# KiCad board rabbit_mask_backup.kicad_pcb (continued)
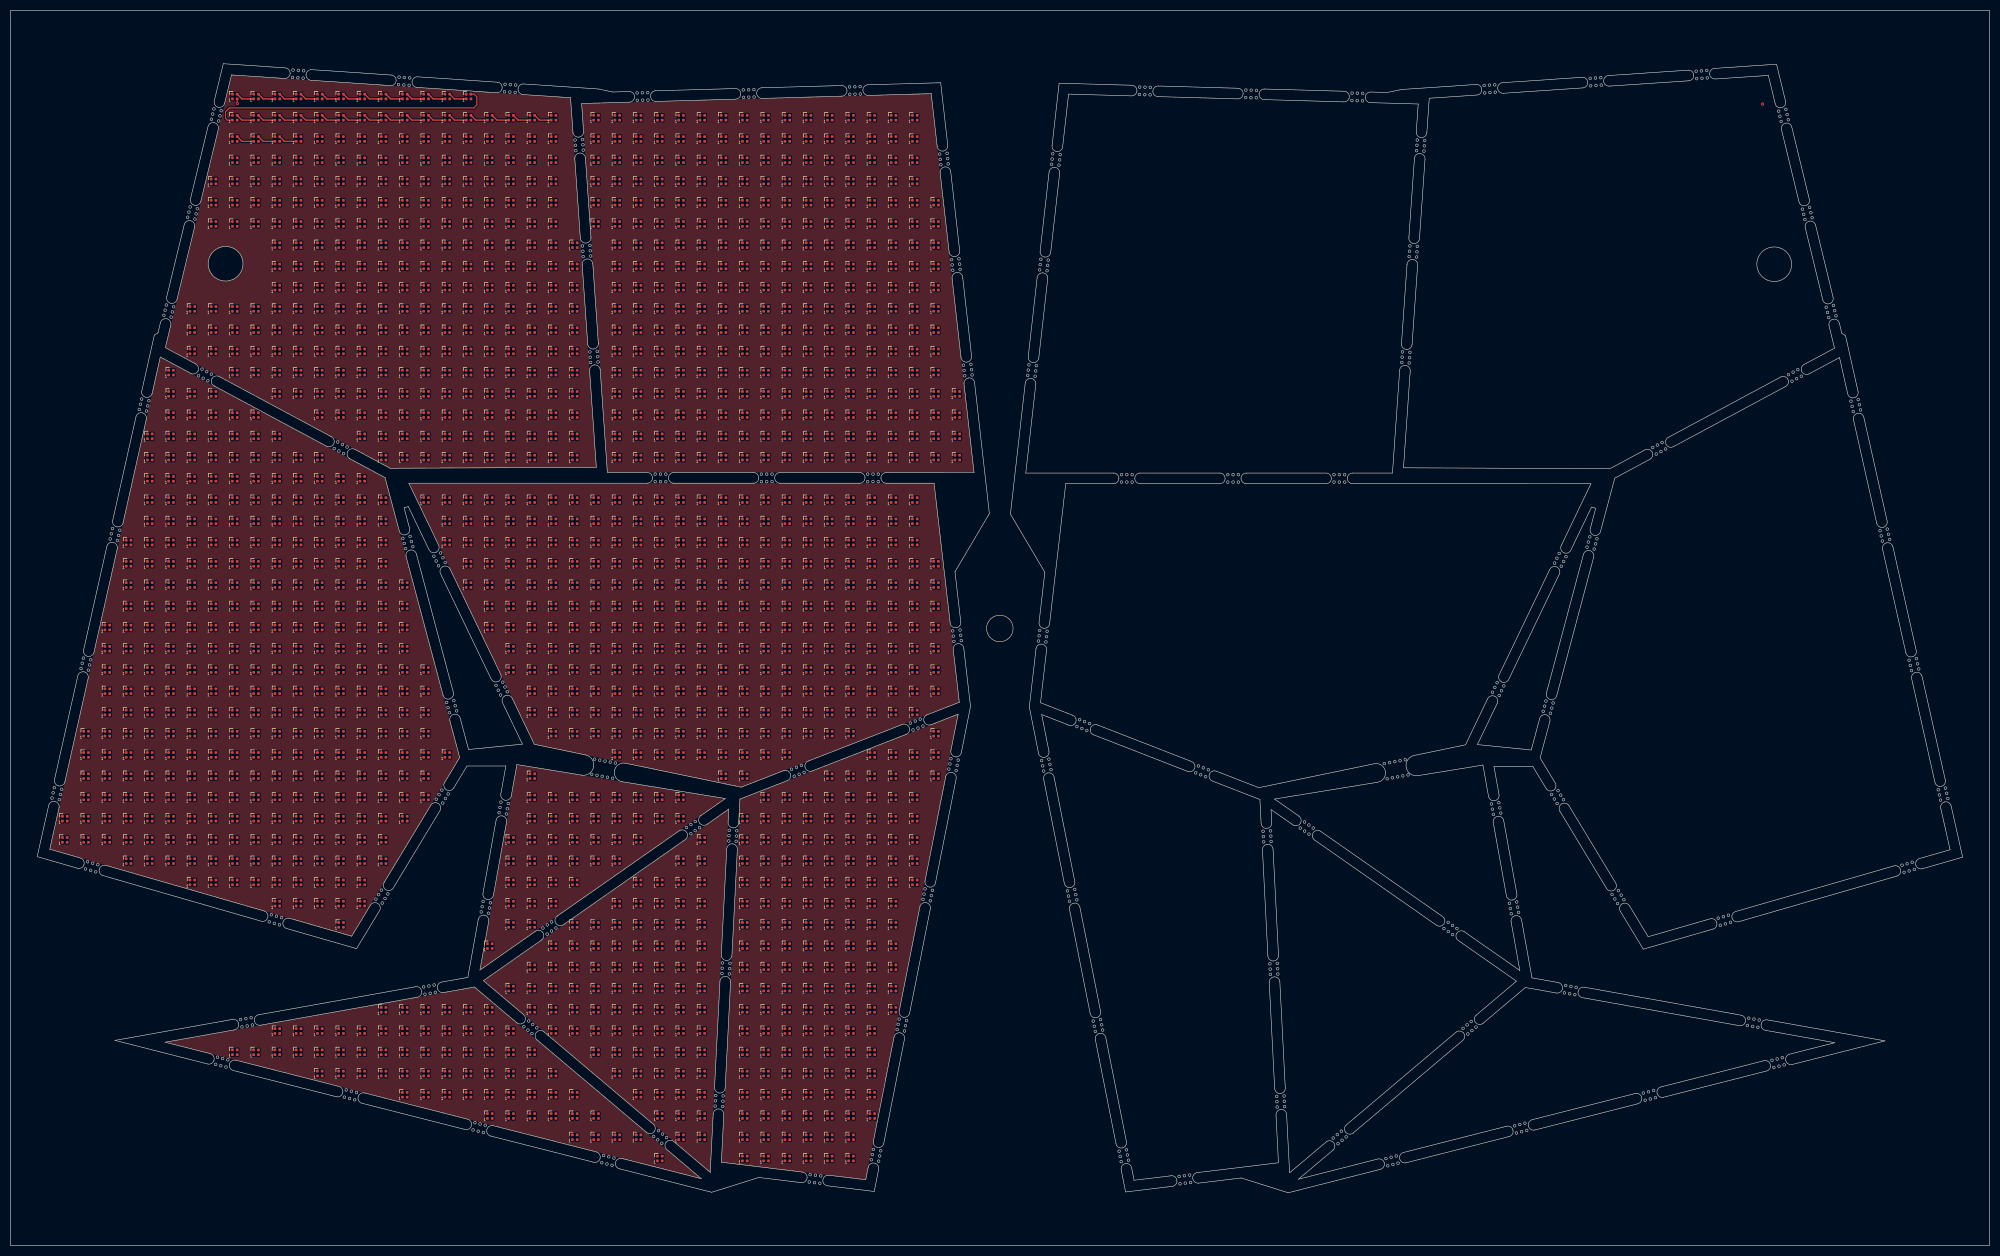
[diagram p0: board, top side]
## Nets (continued)
Net-(D957-DIN): D957.3 D958.1
Net-(D958-DIN): D958.3 D959.1
Net-(D959-DIN): D959.3 D960.1
Net-(D960-DIN): D960.3 D961.1
Net-(D961-DIN): D961.3 D962.1
Net-(D962-DIN): D962.3 D963.1
Net-(D963-DIN): D963.3 D964.1
Net-(D964-DIN): D964.3 D965.1
Net-(D965-DIN): D965.3 D966.1
Net-(D966-DIN): D966.3 D967.1
Net-(D967-DIN): D967.3 D968.1
Net-(D968-DIN): D968.3 D969.1
Net-(D969-DIN): D969.3 D970.1
Net-(D970-DIN): D970.3 D971.1
Net-(D971-DOUT): D971.3 D991.1
Net-(D972-DOUT): D972.3 D973.1
Net-(D973-DIN): D973.3 D974.1
Net-(D974-DIN): D974.3 D975.1
Net-(D975-DIN): D975.3 D976.1
Net-(D976-DIN): D976.3 D977.1
Net-(D977-DIN): D977.3 D978.1
Net-(D978-DIN): D978.3 D979.1
Net-(D979-DIN): D979.3 D980.1
Net-(D980-DIN): D980.3 D981.1
Net-(D981-DIN): D981.3 D982.1
Net-(D982-DIN): D982.3 D983.1
Net-(D983-DIN): D983.3 D984.1
Net-(D984-DIN): D984.3 D985.1
Net-(D985-DIN): D985.3 D986.1
Net-(D986-DIN): D986.3 D987.1
Net-(D987-DIN): D987.3 D988.1
Net-(D988-DIN): D988.3 D989.1
Net-(D989-DIN): D989.3 D990.1
Net-(D991-DOUT): D991.3 D992.1
Net-(D992-DIN): D992.3 D993.1
Net-(D993-DIN): D993.3 D994.1
Net-(D994-DIN): D994.3 D995.1
Net-(D995-DIN): D995.3 D996.1
Net-(D996-DIN): D996.3 D997.1
Net-(D997-DIN): D997.3 D998.1
Net-(D998-DIN): D998.3 D999.1
Net-(D1000-DIN): D1000.3 D1001.1
Net-(D1000-DOUT): D999.3 D1000.1
Net-(D1001-DIN): D1001.3 D1002.1
Net-(D1002-DIN): D1002.3 D1003.1
Net-(D1003-DIN): D1003.3 D1004.1
Net-(D1004-DIN): D1004.3 D1005.1
Net-(D1005-DIN): D1005.3 D1006.1
Net-(D1006-DIN): D1006.3 D1007.1
Net-(D1007-DOUT): D1007.3 D1024.1
Net-(D1008-DIN): D990.3 D1008.1
Net-(D1008-DOUT): D1008.3 D1009.1
Net-(D1009-DIN): D1009.3 D1010.1
Net-(D1010-DIN): D1010.3 D1011.1
Net-(D1011-DIN): D1011.3 D1012.1
Net-(D1012-DIN): D1012.3 D1013.1
Net-(D1013-DIN): D1013.3 D1014.1
Net-(D1014-DIN): D1014.3 D1015.1
Net-(D1015-DIN): D1015.3 D1016.1
Net-(D1016-DIN): D1016.3 D1017.1
Net-(D1017-DIN): D1017.3 D1018.1
Net-(D1018-DIN): D1018.3 D1019.1
Net-(D1019-DIN): D1019.3 D1020.1
Net-(D1020-DIN): D1020.3 D1021.1
Net-(D1021-DIN): D1021.3 D1022.1
Net-(D1022-DOUT): D1022.3 D1042.1
Net-(D1023-DOUT): D1023.3 D1051.1
Net-(D1024-DOUT): D1024.3 D1025.1
Net-(D1025-DIN): D1025.3 D1026.1
Net-(D1026-DIN): D1026.3 D1027.1
Net-(D1027-DIN): D1027.3 D1028.1
Net-(D1028-DIN): D1028.3 D1029.1
Net-(D1029-DIN): D1029.3 D1030.1
Net-(D1030-DIN): D1030.3 D1031.1
Net-(D1031-DIN): D1031.3 D1032.1
Net-(D1032-DIN): D1032.3 D1033.1
Net-(D1033-DIN): D1033.3 D1034.1
Net-(D1034-DIN): D1034.3 D1035.1
Net-(D1035-DIN): D1035.3 D1036.1
Net-(D1036-DIN): D1036.3 D1037.1
Net-(D1037-DIN): D1037.3 D1038.1
Net-(D1038-DIN): D1038.3 D1039.1
Net-(D1039-DIN): D1039.3 D1040.1
Net-(D1040-DIN): D1040.3 D1041.1
Net-(D1041-DOUT): D1041.3 D1055.1
Net-(D1042-DOUT): D1042.3 D1043.1
Net-(D1043-DIN): D1043.3 D1044.1
Net-(D1044-DIN): D1044.3 D1045.1
Net-(D1045-DIN): D1045.3 D1046.1
Net-(D1046-DIN): D1046.3 D1047.1
Net-(D1047-DIN): D1047.3 D1048.1
Net-(D1048-DIN): D1048.3 D1049.1
Net-(D1049-DIN): D1049.3 D1050.1
Net-(D1050-DOUT): D1050.3 D1073.1
Net-(D1051-DOUT): D1051.3 D1052.1
Net-(D1052-DIN): D1052.3 D1053.1
Net-(D1053-DIN): D1053.3 D1054.1
Net-(D1054-DOUT): D1054.3 D1075.1
Net-(D1055-DOUT): D1055.3 D1056.1
Net-(D1056-DIN): D1056.3 D1057.1
Net-(D1057-DIN): D1057.3 D1058.1
Net-(D1058-DIN): D1058.3 D1059.1
Net-(D1059-DIN): D1059.3 D1060.1
Net-(D1060-DIN): D1060.3 D1061.1
Net-(D1061-DIN): D1061.3 D1062.1
Net-(D1062-DIN): D1062.3 D1063.1
Net-(D1063-DIN): D1063.3 D1064.1
Net-(D1064-DIN): D1064.3 D1065.1
Net-(D1065-DIN): D1065.3 D1066.1
Net-(D1066-DIN): D1066.3 D1067.1
Net-(D1067-DIN): D1067.3 D1068.1
Net-(D1068-DIN): D1068.3 D1069.1
Net-(D1069-DIN): D1069.3 D1070.1
Net-(D1070-DIN): D1070.3 D1071.1
Net-(D1071-DOUT): D1071.3 D1089.1
Net-(D1072-DOUT): D1072.3 D1081.1
Net-(D1073-DOUT): D1073.3 D1074.1
Net-(D1075-DOUT): D1075.3 D1076.1
Net-(D1076-DIN): D1076.3 D1077.1
Net-(D1077-DIN): D1077.3 D1078.1
Net-(D1078-DIN): D1078.3 D1079.1
Net-(D1079-DIN): D1079.3 D1080.1
Net-(D1080-DOUT): D1080.3 D1106.1
Net-(D1081-DOUT): D1081.3 D1082.1
Net-(D1082-DIN): D1082.3 D1083.1
Net-(D1083-DIN): D1083.3 D1084.1
Net-(D1084-DIN): D1084.3 D1085.1
Net-(D1085-DIN): D1085.3 D1086.1
Net-(D1086-DIN): D1086.3 D1087.1
Net-(D1087-DIN): D1087.3 D1088.1
Net-(D1088-DOUT): D1088.3 D1131.1
Net-(D1089-DOUT): D1089.3 D1090.1
Net-(D1090-DIN): D1090.3 D1091.1
Net-(D1091-DIN): D1091.3 D1092.1
Net-(D1092-DIN): D1092.3 D1093.1
Net-(D1093-DIN): D1093.3 D1094.1
Net-(D1094-DIN): D1094.3 D1095.1
Net-(D1095-DIN): D1095.3 D1096.1
Net-(D1096-DIN): D1096.3 D1097.1
Net-(D1097-DIN): D1097.3 D1098.1
Net-(D1098-DIN): D1098.3 D1099.1
Net-(D1099-DIN): D1099.3 D1100.1
Net-(D1100-DIN): D1100.3 D1101.1
Net-(D1101-DIN): D1101.3 D1102.1
Net-(D1102-DIN): D1102.3 D1103.1
Net-(D1103-DIN): D1103.3 D1104.1
Net-(D1104-DIN): D1104.3 D1105.1
Net-(D1105-DOUT): D1105.3 D1114.1
Net-(D1106-DOUT): D1106.3 D1107.1
Net-(D1107-DIN): D1107.3 D1108.1
Net-(D1108-DIN): D1108.3 D1109.1
Net-(D1109-DIN): D1109.3 D1110.1
Net-(D1110-DIN): D1110.3 D1111.1
Net-(D1111-DIN): D1111.3 D1112.1
Net-(D1112-DIN): D1112.3 D1113.1
Net-(D1113-DOUT): D1113.3 D1139.1
Net-(D1114-DOUT): D1114.3 D1115.1
Net-(D1115-DIN): D1115.3 D1116.1
Net-(D1116-DIN): D1116.3 D1117.1
Net-(D1117-DIN): D1117.3 D1118.1
Net-(D1118-DIN): D1118.3 D1119.1
Net-(D1119-DIN): D1119.3 D1120.1
Net-(D1120-DIN): D1120.3 D1121.1
Net-(D1121-DIN): D1121.3 D1122.1
Net-(D1122-DIN): D1122.3 D1123.1
Net-(D1123-DIN): D1123.3 D1124.1
Net-(D1124-DIN): D1124.3 D1125.1
Net-(D1125-DIN): D1125.3 D1126.1
Net-(D1126-DIN): D1126.3 D1127.1
Net-(D1127-DIN): D1127.3 D1128.1
Net-(D1128-DIN): D1128.3 D1129.1
Net-(D1129-DIN): D1129.3 D1130.1
Net-(D1130-DOUT): D1130.3 D1148.1
Net-(D1131-DOUT): D1131.3 D1132.1
Net-(D1132-DIN): D1132.3 D1133.1
Net-(D1133-DIN): D1133.3 D1134.1
Net-(D1134-DIN): D1134.3 D1135.1
Net-(D1135-DIN): D1135.3 D1136.1
Net-(D1136-DIN): D1136.3 D1137.1
Net-(D1137-DIN): D1137.3 D1138.1
Net-(D1138-DOUT): D1138.3 D1164.1
Net-(D1139-DOUT): D1139.3 D1140.1
Net-(D1140-DIN): D1140.3 D1141.1
Net-(D1141-DIN): D1141.3 D1142.1
Net-(D1142-DIN): D1142.3 D1143.1
Net-(D1143-DIN): D1143.3 D1144.1
Net-(D1144-DIN): D1144.3 D1145.1
Net-(D1145-DIN): D1145.3 D1146.1
Net-(D1146-DIN): D1146.3 D1147.1
Net-(D1147-DOUT): D1147.3 D1172.1
Net-(D1148-DOUT): D1148.3 D1149.1
Net-(D1149-DIN): D1149.3 D1150.1
Net-(D1150-DIN): D1150.3 D1151.1
Net-(D1151-DIN): D1151.3 D1152.1
Net-(D1152-DIN): D1152.3 D1153.1
Net-(D1153-DIN): D1153.3 D1154.1
Net-(D1154-DIN): D1154.3 D1155.1
Net-(D1155-DIN): D1155.3 D1156.1
Net-(D1156-DIN): D1156.3 D1157.1
Net-(D1157-DIN): D1157.3 D1158.1
Net-(D1158-DIN): D1158.3 D1159.1
Net-(D1159-DIN): D1159.3 D1160.1
Net-(D1160-DIN): D1160.3 D1161.1
Net-(D1161-DIN): D1161.3 D1162.1
Net-(D1162-DIN): D1162.3 D1163.1
Net-(D1163-DOUT): D1163.3 D1181.1
Net-(D1164-DOUT): D1164.3 D1165.1
Net-(D1165-DIN): D1165.3 D1166.1
Net-(D1166-DIN): D1166.3 D1167.1
Net-(D1167-DIN): D1167.3 D1168.1
Net-(D1168-DIN): D1168.3 D1169.1
Net-(D1169-DIN): D1169.3 D1170.1
Net-(D1170-DOUT): D1170.3 D1194.1
Net-(D1171-DOUT): D1171.3 D1200.1
Net-(D1172-DOUT): D1172.3 D1173.1
Net-(D1173-DIN): D1173.3 D1174.1
Net-(D1174-DIN): D1174.3 D1175.1
Net-(D1175-DIN): D1175.3 D1176.1
Net-(D1176-DIN): D1176.3 D1177.1
Net-(D1177-DIN): D1177.3 D1178.1
Net-(D1178-DIN): D1178.3 D1179.1
Net-(D1179-DIN): D1179.3 D1180.1
Net-(D1180-DOUT): D1180.3 D1202.1
Net-(D1181-DOUT): D1181.3 D1182.1
Net-(D1182-DIN): D1182.3 D1183.1
Net-(D1183-DIN): D1183.3 D1184.1
Net-(D1184-DIN): D1184.3 D1185.1
Net-(D1185-DIN): D1185.3 D1186.1
Net-(D1186-DIN): D1186.3 D1187.1
Net-(D1187-DIN): D1187.3 D1188.1
Net-(D1188-DIN): D1188.3 D1189.1
Net-(D1189-DIN): D1189.3 D1190.1
Net-(D1190-DIN): D1190.3 D1191.1
Net-(D1191-DIN): D1191.3 D1192.1
Net-(D1192-DIN): D1192.3 D1193.1
Net-(D1193-DOUT): D1193.3 D1211.1
Net-(D1194-DOUT): D1194.3 D1195.1
Net-(D1195-DIN): D1195.3 D1196.1
Net-(D1196-DIN): D1196.3 D1197.1
Net-(D1197-DIN): D1197.3 D1198.1
Net-(D1198-DIN): D1198.3 D1199.1
Net-(D1199-DOUT): D1199.3 D1220.1
Net-(D1200-DOUT): D1200.3 D1201.1
Net-(D1201-DOUT): D1201.3 D1224.1
Net-(D1202-DOUT): D1202.3 D1203.1
Net-(D1203-DIN): D1203.3 D1204.1
Net-(D1204-DIN): D1204.3 D1205.1
Net-(D1205-DIN): D1205.3 D1206.1
Net-(D1206-DIN): D1206.3 D1207.1
Net-(D1207-DIN): D1207.3 D1208.1
Net-(D1208-DIN): D1208.3 D1209.1
Net-(D1209-DIN): D1209.3 D1210.1
Net-(D1210-DOUT): D1210.3 D1228.1
Net-(D1211-DOUT): D1211.3 D1212.1
Net-(D1212-DIN): D1212.3 D1213.1
Net-(D1213-DIN): D1213.3 D1214.1
Net-(D1214-DIN): D1214.3 D1215.1
Net-(D1215-DIN): D1215.3 D1216.1
Net-(D1216-DIN): D1216.3 D1217.1
Net-(D1217-DIN): D1217.3 D1218.1
Net-(D1218-DIN): D1218.3 D1219.1
Net-(D1219-DOUT): D1219.3 D1237.1
Net-(D1220-DOUT): D1220.3 D1221.1
Net-(D1221-DIN): D1221.3 D1222.1
Net-(D1222-DIN): D1222.3 D1223.1
Net-(D1223-DOUT): D1223.3 D1242.1
Net-(D1224-DOUT): D1224.3 D1225.1
Net-(D1225-DIN): D1225.3 D1226.1
Net-(D1226-DIN): D1226.3 D1227.1
Net-(D1227-DOUT): D1227.3 D1245.1
Net-(D1228-DOUT): D1228.3 D1229.1
Net-(D1229-DIN): D1229.3 D1230.1
Net-(D1230-DIN): D1230.3 D1231.1
Net-(D1231-DIN): D1231.3 D1232.1
Net-(D1232-DIN): D1232.3 D1233.1
Net-(D1233-DIN): D1233.3 D1234.1
Net-(D1234-DIN): D1234.3 D1235.1
Net-(D1235-DIN): D1235.3 D1236.1
Net-(D1236-DOUT): D1236.3 D1250.1
Net-(D1237-DOUT): D1237.3 D1238.1
Net-(D1238-DIN): D1238.3 D1239.1
Net-(D1239-DIN): D1239.3 D1240.1
Net-(D1240-DIN): D1240.3 D1241.1
Net-(D1241-DOUT): D1241.3 D1258.1
Net-(D1242-DOUT): D1242.3 D1243.1
Net-(D1243-DIN): D1243.3 D1244.1
Net-(D1244-DOUT): D1244.3 D1259.1
Net-(D1245-DOUT): D1245.3 D1246.1
Net-(D1246-DIN): D1246.3 D1247.1
Net-(D1247-DIN): D1247.3 D1248.1
Net-(D1248-DIN): D1248.3 D1249.1
Net-(D1249-DOUT): D1249.3 D1261.1
Net-(D1250-DOUT): D1250.3 D1251.1
Net-(D1251-DIN): D1251.3 D1252.1
Net-(D1252-DIN): D1252.3 D1253.1
Net-(D1253-DIN): D1253.3 D1254.1
Net-(D1254-DIN): D1254.3 D1255.1
Net-(D1255-DIN): D1255.3 D1256.1
Net-(D1256-DIN): D1256.3 D1257.1
Net-(D1257-DOUT): D1257.3 D1268.1
Net-(D1259-DOUT): D1259.3 D1260.1
Net-(D1260-DOUT): D1260.3 D1276.1
Net-(D1261-DOUT): D1261.3 D1262.1
Net-(D1262-DIN): D1262.3 D1263.1
Net-(D1263-DIN): D1263.3 D1264.1
Net-(D1264-DIN): D1264.3 D1265.1
Net-(D1265-DIN): D1265.3 D1266.1
Net-(D1266-DIN): D1266.3 D1267.1
Net-(D1267-DOUT): D1267.3 D1277.1
Net-(D1268-DOUT): D1268.3 D1269.1
Net-(D1269-DIN): D1269.3 D1270.1
Net-(D1270-DIN): D1270.3 D1271.1
Net-(D1271-DIN): D1271.3 D1272.1
Net-(D1272-DIN): D1272.3 D1273.1
Net-(D1273-DIN): D1273.3 D1274.1
Net-(D1274-DIN): D1274.3 D1275.1
Net-(D1275-DOUT): D1275.3 D1285.1
Net-(D1277-DOUT): D1277.3 D1278.1
Net-(D1278-DIN): D1278.3 D1279.1
Net-(D1279-DIN): D1279.3 D1280.1
Net-(D1280-DIN): D1280.3 D1281.1
Net-(D1281-DIN): D1281.3 D1282.1
Net-(D1282-DIN): D1282.3 D1283.1
Net-(D1283-DIN): D1283.3 D1284.1
Net-(D1284-DOUT): D1284.3 D1293.1
Net-(D1285-DOUT): D1285.3 D1286.1
Net-(D1286-DIN): D1286.3 D1287.1
Net-(D1287-DIN): D1287.3 D1288.1
Net-(D1288-DIN): D1288.3 D1289.1
Net-(D1289-DIN): D1289.3 D1290.1
Net-(D1290-DIN): D1290.3 D1291.1
Net-(D1291-DIN): D1291.3 D1292.1
Net-(D1292-DOUT): D1292.3 D1302.1
Net-(D1293-DOUT): D1293.3 D1294.1
Net-(D1294-DIN): D1294.3 D1295.1
Net-(D1295-DIN): D1295.3 D1296.1
Net-(D1296-DIN): D1296.3 D1297.1
Net-(D1297-DIN): D1297.3 D1298.1
Net-(D1298-DIN): D1298.3 D1299.1
Net-(D1299-DIN): D1299.3 D1300.1
Net-(D1300-DIN): D1300.3 D1301.1
Net-(D1301-DOUT): D1301.3 D1310.1
Net-(D1302-DOUT): D1302.3 D1303.1
Net-(D1303-DIN): D1303.3 D1304.1
Net-(D1304-DIN): D1304.3 D1305.1
Net-(D1305-DIN): D1305.3 D1306.1
Net-(D1306-DIN): D1306.3 D1307.1
Net-(D1307-DIN): D1307.3 D1308.1
Net-(D1308-DIN): D1308.3 D1309.1
Net-(D1309-DOUT): D1309.3 D1320.1
Net-(D1310-DOUT): D1310.3 D1311.1
Net-(D1311-DIN): D1311.3 D1312.1
Net-(D1312-DIN): D1312.3 D1313.1
Net-(D1313-DIN): D1313.3 D1314.1
Net-(D1314-DIN): D1314.3 D1315.1
Net-(D1315-DIN): D1315.3 D1316.1
Net-(D1316-DIN): D1316.3 D1317.1
Net-(D1317-DIN): D1317.3 D1318.1
Net-(D1318-DIN): D1318.3 D1319.1
Net-(D1319-DOUT): D1319.3 D1334.1
Net-(D1320-DOUT): D1320.3 D1321.1
Net-(D1321-DIN): D1321.3 D1322.1
Net-(D1322-DIN): D1322.3 D1323.1
Net-(D1323-DIN): D1323.3 D1324.1
Net-(D1324-DIN): D1324.3 D1325.1
Net-(D1325-DIN): D1325.3 D1326.1
Net-(D1326-DIN): D1326.3 D1327.1
Net-(D1327-DOUT): D1327.3 D1343.1
Net-(D1328-DOUT): D1328.3 D1329.1
Net-(D1329-DIN): D1329.3 D1330.1
Net-(D1330-DIN): D1330.3 D1331.1
Net-(D1331-DIN): D1331.3 D1332.1
Net-(D1332-DIN): D1332.3 D1333.1
Net-(D1333-DOUT): D1333.3 D1351.1
Net-(D1334-DOUT): D1334.3 D1335.1
Net-(D1335-DIN): D1335.3 D1336.1
Net-(D1336-DIN): D1336.3 D1337.1
Net-(D1337-DIN): D1337.3 D1338.1
Net-(D1338-DIN): D1338.3 D1339.1
Net-(D1339-DIN): D1339.3 D1340.1
Net-(D1340-DIN): D1340.3 D1341.1
Net-(D1341-DIN): D1341.3 D1342.1
Net-(D1342-DOUT): D1342.3 D1363.1
Net-(D1343-DOUT): D1343.3 D1344.1
Net-(D1344-DIN): D1344.3 D1345.1
Net-(D1345-DIN): D1345.3 D1346.1
Net-(D1346-DIN): D1346.3 D1347.1
Net-(D1347-DIN): D1347.3 D1348.1
Net-(D1348-DIN): D1348.3 D1349.1
Net-(D1349-DIN): D1349.3 D1350.1
Net-(D1350-DOUT): D1350.3 D1371.1
Net-(D1351-DOUT): D1351.3 D1352.1
Net-(D1352-DIN): D1352.3 D1353.1
Net-(D1353-DIN): D1353.3 D1354.1
Net-(D1354-DIN): D1354.3 D1355.1
Net-(D1355-DIN): D1355.3 D1356.1
Net-(D1356-DIN): D1356.3 D1357.1
Net-(D1357-DIN): D1357.3 D1358.1
Net-(D1358-DIN): D1358.3 D1359.1
Net-(D1359-DIN): D1359.3 D1360.1
Net-(D1360-DIN): D1360.3 D1361.1
Net-(D1361-DIN): D1361.3 D1362.1
Net-(D1362-DOUT): D1362.3 D1378.1
Net-(D1363-DOUT): D1363.3 D1364.1
Net-(D1364-DIN): D1364.3 D1365.1
Net-(D1365-DIN): D1365.3 D1366.1
Net-(D1366-DIN): D1366.3 D1367.1
Net-(D1367-DIN): D1367.3 D1368.1
Net-(D1368-DIN): D1368.3 D1369.1
Net-(D1369-DIN): D1369.3 D1370.1
Net-(D1370-DOUT): D1370.3 D1393.1
Net-(D1371-DOUT): D1371.3 D1372.1
Net-(D1372-DIN): D1372.3 D1373.1
Net-(D1373-DIN): D1373.3 D1374.1
Net-(D1374-DIN): D1374.3 D1375.1
Net-(D1375-DIN): D1375.3 D1376.1
Net-(D1376-DIN): D1376.3 D1377.1
Net-(D1377-DOUT): D1377.3 D1399.1
Net-(D1378-DOUT): D1378.3 D1379.1
Net-(D1379-DIN): D1379.3 D1380.1
Net-(D1380-DIN): D1380.3 D1381.1
Net-(D1381-DIN): D1381.3 D1382.1
Net-(D1382-DIN): D1382.3 D1383.1
Net-(D1383-DIN): D1383.3 D1384.1
Net-(D1384-DIN): D1384.3 D1385.1
Net-(D1385-DIN): D1385.3 D1386.1
Net-(D1386-DIN): D1386.3 D1387.1
Net-(D1387-DIN): D1387.3 D1388.1
Net-(D1388-DIN): D1388.3 D1389.1
Net-(D1389-DIN): D1389.3 D1390.1
Net-(D1390-DIN): D1390.3 D1391.1
Net-(D1391-DIN): D1391.3 D1392.1
Net-(D1392-DOUT): D1392.3 D1406.1
Net-(D1393-DOUT): D1393.3 D1394.1
Net-(D1394-DIN): D1394.3 D1395.1
Net-(D1395-DIN): D1395.3 D1396.1
Net-(D1396-DIN): D1396.3 D1397.1
Net-(D1397-DIN): D1397.3 D1398.1
Net-(D1398-DOUT): D1398.3 D1418.1
Net-(D1399-DOUT): D1399.3 D1400.1
Net-(D1400-DIN): D1400.3 D1401.1
Net-(D1401-DIN): D1401.3 D1402.1
Net-(D1402-DIN): D1402.3 D1403.1
Net-(D1403-DIN): D1403.3 D1404.1
Net-(D1404-DIN): D1404.3 D1405.1
Net-(D1405-DOUT): D1405.3 D1423.1
Net-(D1406-DOUT): D1406.3 D1407.1
Net-(D1407-DIN): D1407.3 D1408.1
Net-(D1408-DIN): D1408.3 D1409.1
Net-(D1409-DIN): D1409.3 D1410.1
Net-(D1410-DIN): D1410.3 D1411.1
Net-(D1411-DIN): D1411.3 D1412.1
Net-(D1412-DIN): D1412.3 D1413.1
Net-(D1413-DIN): D1413.3 D1414.1
Net-(D1414-DIN): D1414.3 D1415.1
Net-(D1415-DIN): D1415.3 D1416.1
Net-(D1416-DIN): D1416.3 D1417.1
Net-(D1417-DOUT): D1417.3 D1430.1
Net-(D1418-DOUT): D1418.3 D1419.1
Net-(D1419-DIN): D1419.3 D1420.1
Net-(D1420-DIN): D1420.3 D1421.1
Net-(D1421-DIN): D1421.3 D1422.1
Net-(D1422-DOUT): D1422.3 D1439.1
Net-(D1423-DOUT): D1423.3 D1424.1
Net-(D1424-DIN): D1424.3 D1425.1
Net-(D1425-DIN): D1425.3 D1426.1
Net-(D1426-DIN): D1426.3 D1427.1
Net-(D1427-DIN): D1427.3 D1428.1
Net-(D1428-DIN): D1428.3 D1429.1
Net-(D1429-DOUT): D1429.3 D1443.1
Net-(D1430-DOUT): D1430.3 D1431.1
Net-(D1431-DIN): D1431.3 D1432.1
Net-(D1432-DIN): D1432.3 D1433.1
Net-(D1433-DIN): D1433.3 D1434.1
Net-(D1434-DIN): D1434.3 D1435.1
Net-(D1435-DIN): D1435.3 D1436.1
Net-(D1436-DIN): D1436.3 D1437.1
Net-(D1437-DIN): D1437.3 D1438.1
Net-(D1438-DOUT): D1438.3 D1450.1
Net-(D1439-DOUT): D1439.3 D1440.1
Net-(D1440-DIN): D1440.3 D1441.1
Net-(D1441-DIN): D1441.3 D1442.1
Net-(D1442-DOUT): D1442.3 D1456.1
Net-(D1443-DOUT): D1443.3 D1444.1
Net-(D1444-DIN): D1444.3 D1445.1
Net-(D1445-DIN): D1445.3 D1446.1
Net-(D1446-DIN): D1446.3 D1447.1
Net-(D1447-DIN): D1447.3 D1448.1
Net-(D1448-DIN): D1448.3 D1449.1
Net-(D1449-DOUT): D1449.3 D1459.1
Net-(D1450-DOUT): D1450.3 D1451.1
Net-(D1451-DIN): D1451.3 D1452.1
Net-(D1452-DIN): D1452.3 D1453.1
Net-(D1453-DIN): D1453.3 D1454.1
Net-(D1454-DIN): D1454.3 D1455.1
Net-(D1455-DOUT): D1455.3 D1466.1
Net-(D1456-DOUT): D1456.3 D1457.1
Net-(D1457-DIN): D1457.3 D1458.1
Net-(D1458-DOUT): D1458.3 D1470.1
Net-(D1459-DOUT): D1459.3 D1460.1
Net-(D1460-DIN): D1460.3 D1461.1
Net-(D1461-DIN): D1461.3 D1462.1
Net-(D1462-DIN): D1462.3 D1463.1
Net-(D1463-DIN): D1463.3 D1464.1
Net-(D1464-DIN): D1464.3 D1465.1
Net-(D1465-DOUT): D1465.3 D1472.1
Net-(D1466-DOUT): D1466.3 D1467.1
Net-(D1467-DIN): D1467.3 D1468.1
Net-(D1468-DIN): D1468.3 D1469.1
Net-(D1469-DOUT): D1469.3 D1478.1
Net-(D1470-DOUT): D1470.3 D1471.1
Net-(D1472-DOUT): D1472.3 D1473.1
Net-(D1473-DIN): D1473.3 D1474.1
Net-(D1474-DIN): D1474.3 D1475.1
Net-(D1475-DIN): D1475.3 D1476.1
Net-(D1476-DIN): D1476.3 D1477.1
Net-(D1477-DOUT): D1477.3 D1479.1
Net-(D1479-DOUT): D1479.3 D1480.1
Net-(D1480-DIN): D1480.3 D1481.1
Net-(D1481-DIN): D1481.3 D1482.1
Net-(D1482-DIN): D1482.3 D1483.1
Net-(D1483-DIN): D1483.3 D1484.1

Pads without a net: D1 1; D29 1; D44 3; D61 1; D108 3; D126 1; D408 1; D565 3; D582 3; D606 1; D1023 1; D1072 1; D1074 3; D1171 1; D1258 3; D1276 3; D1328 1; D1471 3; D1478 3; D1484 3

## Via types
v1: diameter 0.6, hole 0.3, Top to Bottom, 2 vias

## Routing (per net, layer and track width the routed paths; a pad name or vN(x,y) marks a point on that pad's centre or on a via; arc(x,y) is an arc through that point)
VCC: length 0.9
  Top w0.2: v1(42.67,215.03) 42.65,215.05 D1.2
  vias: v1(329.77,214.94)
Net-(D1-DOUT): length 3.5
  Top w0.25: D2.1 43.55,215.91 D1.3
Net-(D2-DIN): length 3.5
  Top w0.25: D3.1 47.55,215.91 D2.3
Net-(D3-DIN): length 3.5
  Top w0.25: D4.1 51.55,215.91 D3.3
Net-(D4-DIN): length 3.5
  Top w0.25: D4.3 55.55,215.91 D5.1
Net-(D5-DIN): length 3.5
  Top w0.25: D6.1 59.55,215.91 D5.3
Net-(D6-DIN): length 3.5
  Top w0.25: D7.1 63.55,215.91 D6.3
Net-(D7-DIN): length 3.5
  Top w0.25: D8.1 67.55,215.91 D7.3
Net-(D8-DIN): length 3.5
  Top w0.25: D8.3 71.55,215.91 D9.1
Net-(D10-DIN): length 3.5
  Top w0.25: D11.1 79.55,215.91 D10.3
Net-(D10-DOUT): length 3.5
  Top w0.25: D9.3 75.55,215.91 D10.1
Net-(D11-DIN): length 3.5
  Top w0.25: D11.3 83.55,215.91 D12.1
Net-(D12-DOUT): length 53.4
  Top w0.2: D12.3 87.25,216.81 87.76,216.3 87.76,214.76 87.22,214.22 41.19,214.22 40.45,213.48 40.45,212.24 40.78,211.91 D13.1
Net-(D13-DOUT): length 3.5
  Top w0.25: D14.1 43.55,211.91 D13.3
Net-(D14-DIN): length 3.5
  Top w0.25: D14.3 47.55,211.91 D15.1
Net-(D15-DIN): length 3.5
  Top w0.25: D15.3 51.55,211.91 D16.1
Net-(D16-DIN): length 3.5
  Top w0.25: D16.3 55.55,211.91 D17.1
Net-(D17-DIN): length 3.5
  Top w0.25: D17.3 59.55,211.91 D18.1
Net-(D18-DIN): length 3.5
  Top w0.25: D19.1 63.55,211.91 D18.3
Net-(D19-DIN): length 3.5
  Top w0.25: D20.1 67.55,211.91 D19.3
Net-(D20-DIN): length 3.5
  Top w0.25: D20.3 71.55,211.91 D21.1
Net-(D21-DIN): length 3.5
  Top w0.25: D21.3 75.55,211.91 D22.1
Net-(D22-DIN): length 3.5
  Top w0.25: D23.1 79.55,211.91 D22.3
Net-(D23-DIN): length 3.5
  Top w0.25: D24.1 83.55,211.91 D23.3
Net-(D24-DIN): length 3.5
  Top w0.25: D24.3 87.55,211.91 D25.1
Net-(D25-DIN): length 3.5
  Top w0.25: D25.3 91.55,211.91 D26.1
Net-(D26-DIN): length 3.5
  Top w0.25: D26.3 95.55,211.91 D27.1
Net-(D27-DIN): length 3.5
  Top w0.25: D27.3 99.55,211.91 D28.1
Net-(D45-DOUT): length 3.5
  Top w0.25: D45.3 43.55,207.91 D46.1
Net-(D46-DIN): length 3.5
  Top w0.25: D47.1 47.55,207.91 D46.3
Net-(D47-DIN): length 3.5
  Top w0.25: D48.1 51.55,207.91 D47.3

## Copper pours and planes (outline as drawn; the poured copper is in the pictures)
GND on Top: 89.02,49.85 135.17,82.14 131.68,13.76
GND on Top: 29.2,38.25 87.29,48.66 129.95,12.58
GND on Top: 95.31,90.54 134.49,84.14 88.37,51.84
GND on Top: 28.18,167.28 70.49,144.58 84.53,91.86 64.18,58.21 7.37,74.62
GND on Top: 112.33,145.55 107.48,215.03 173.28,216.9 181.36,145.53
GND on Top: 41.61,220.42 105.41,216.13 110.25,146.53 71.44,146.34 29.14,169.09
GND on Top: 74.98,143.52 173.83,143.54 178.58,102.26 137.48,86.26 98.58,94.36
GND on Top: 137.29,84.04 178.35,100.04 160.96,12.36 133.8,15.66
VCC on Bottom: 112.28,145.56 107.43,215.04 173.23,216.91 181.31,145.54
VCC on Bottom: 297.49,143.45 198.64,143.47 193.89,102.19 234.99,86.19 273.89,94.29
VCC on Bottom: 344.28,167.2 301.97,144.5 287.93,91.78 308.28,58.13 365.09,74.54
VCC on Bottom: 260.17,145.47 265.02,214.95 199.22,216.82 191.14,145.45
VCC on Bottom: 29.18,38.29 87.27,48.7 129.93,12.62
VCC on Bottom: 330.84,220.33 267.04,216.04 262.2,146.44 301.01,146.25 343.31,169
VCC on Bottom: 74.95,143.54 173.8,143.56 178.55,102.28 137.45,86.28 98.55,94.38
VCC on Bottom: 343.27,38.2 285.18,48.61 242.52,12.53
VCC on Bottom: 95.31,90.55 134.49,84.15 88.37,51.85
VCC on Bottom: 283.44,49.78 237.29,82.07 240.78,13.69
VCC on Bottom: 235.15,83.95 194.09,99.95 211.48,12.27 238.64,15.57
VCC on Bottom: 41.61,220.42 105.41,216.13 110.25,146.53 71.44,146.34 29.14,169.09
VCC on Bottom: 137.29,84.04 178.35,100.04 160.96,12.36 133.8,15.66
VCC on Bottom: 89.01,49.87 135.16,82.16 131.67,13.78
VCC on Bottom: 277.13,90.46 237.95,84.06 284.07,51.76
VCC on Bottom: 28.17,167.29 70.48,144.59 84.52,91.87 64.17,58.22 7.36,74.63

## Text on the board
B.Silkscreen: 3 | 1 | 6 | 5 | 7 | 4 | 2 | 8
